# Altium PCB AGV.PcbDoc (part 1 of 2) (continued)
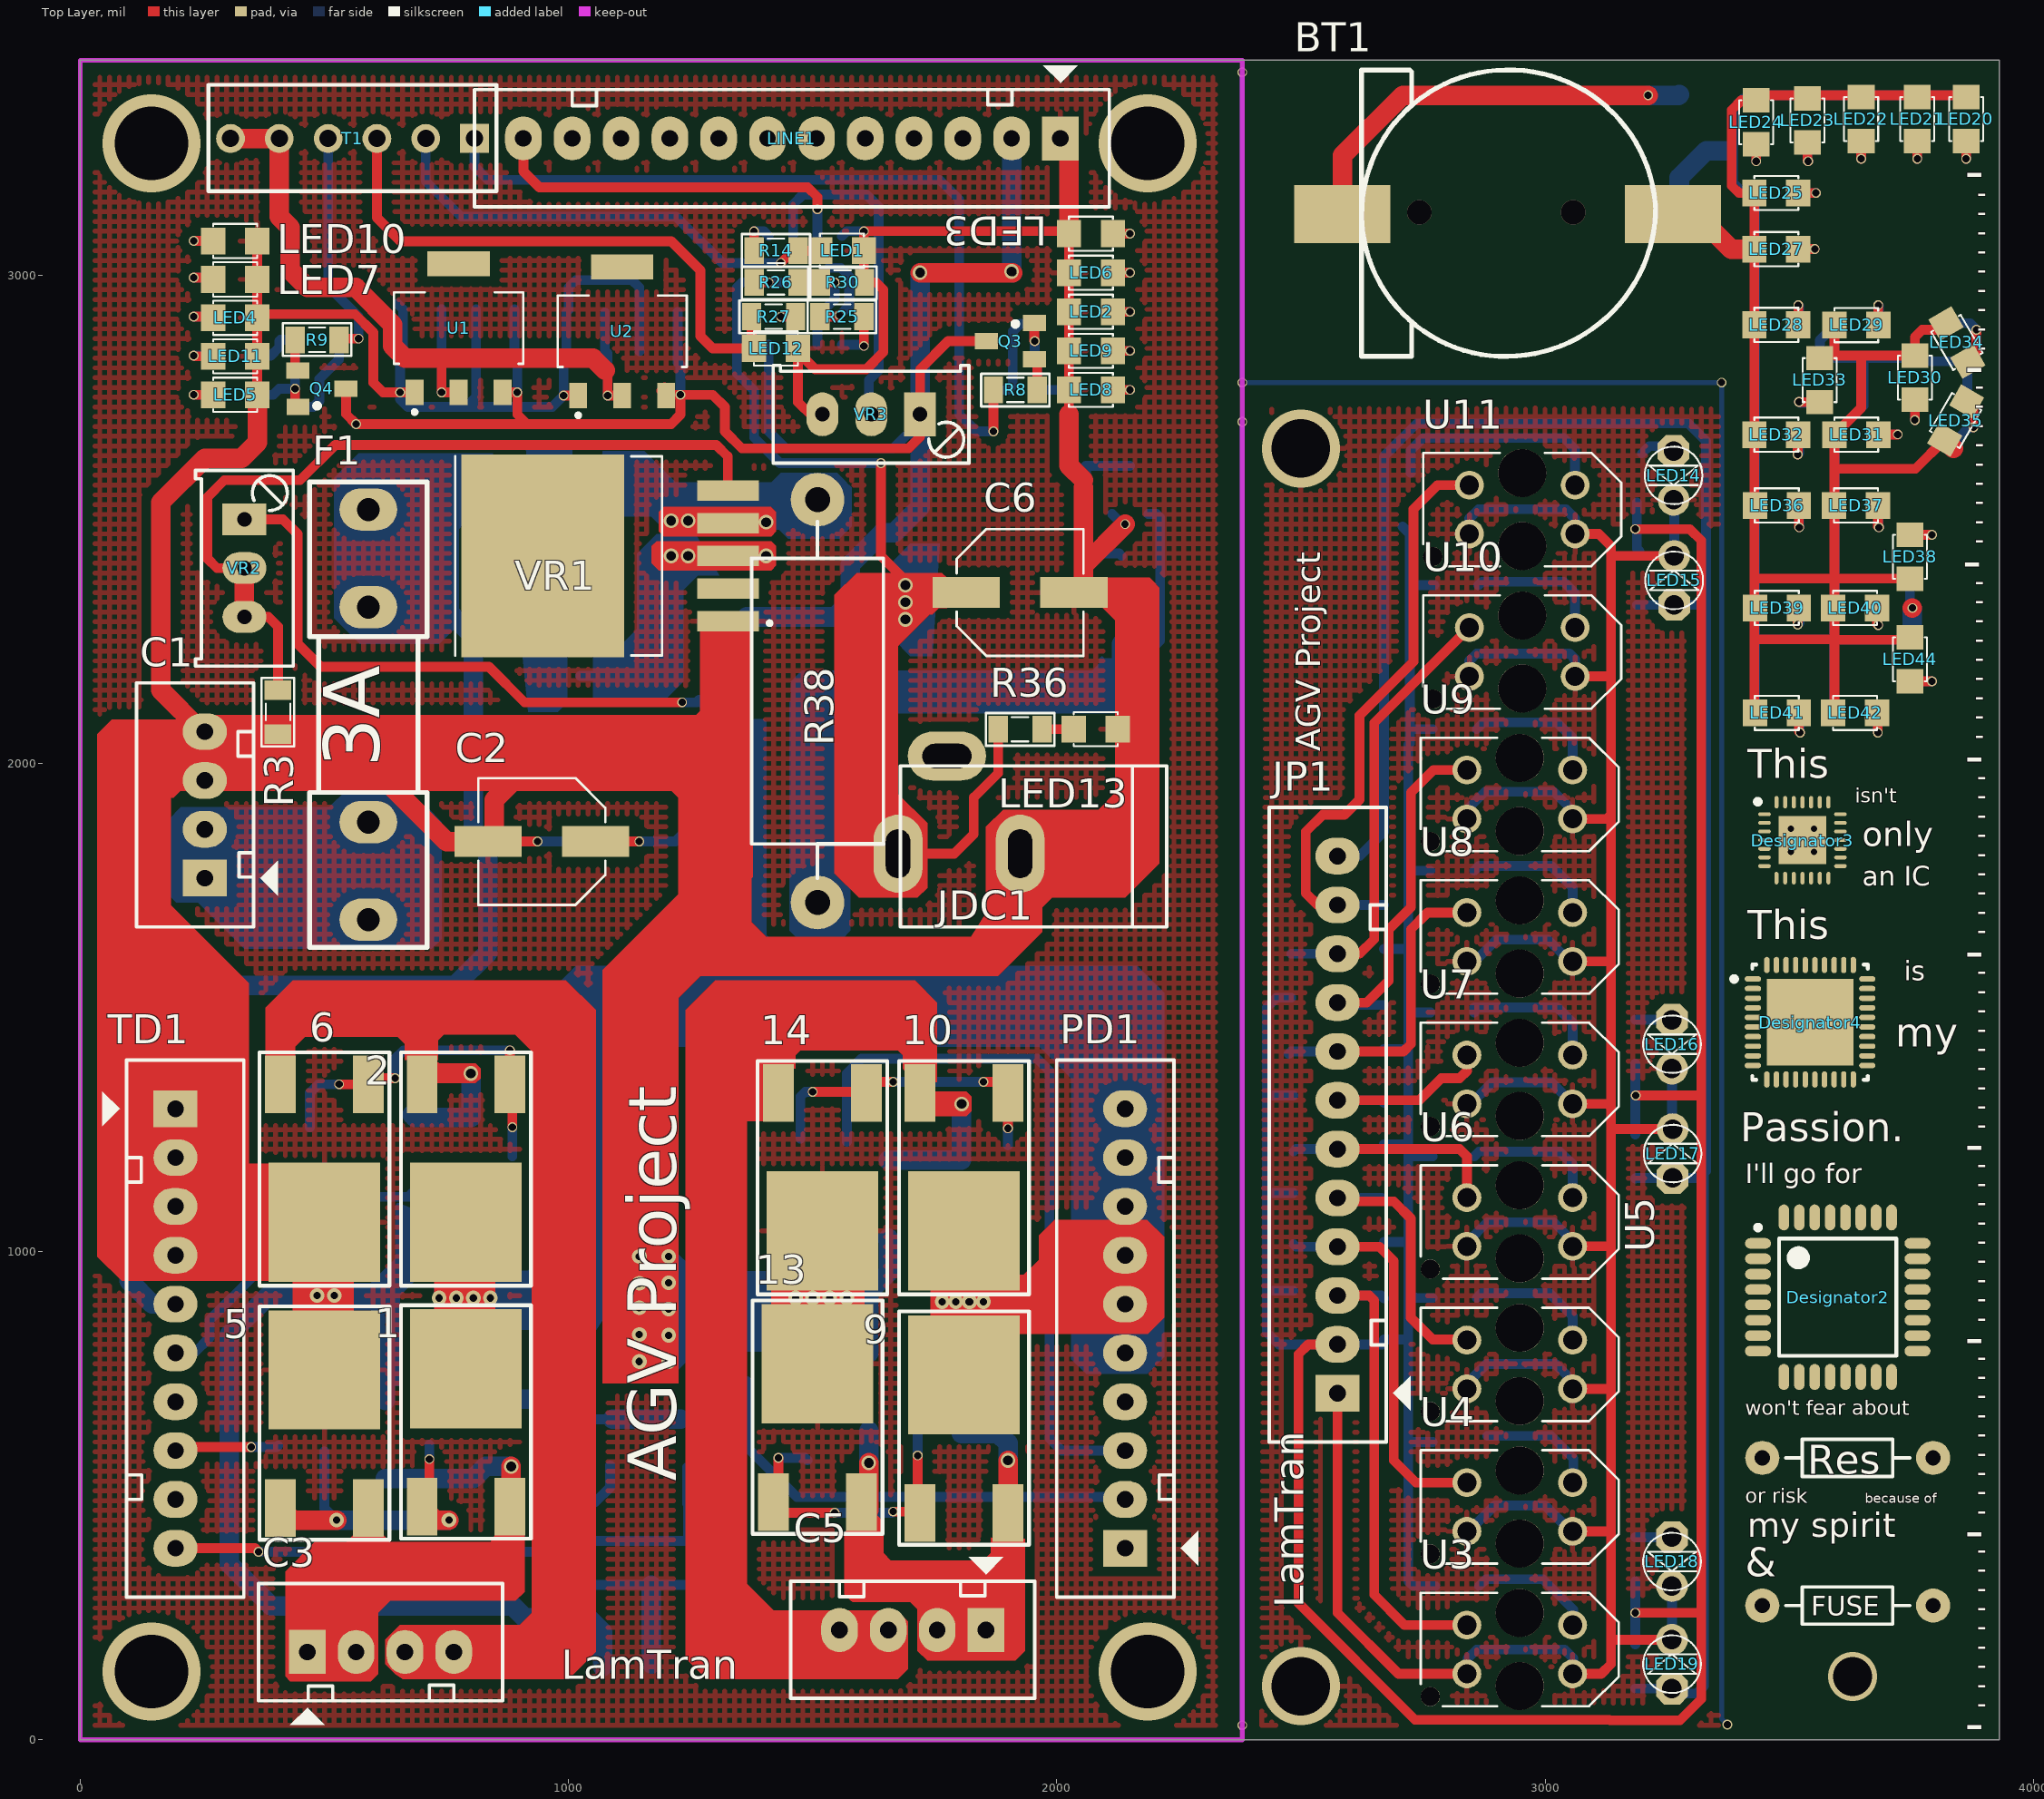
[diagram p0: Top Layer view]
## Components (designator, comment, footprint, x,y, rotation, side; value= is the part's Value field where it differs from the comment) (continued)
R65 "Res" RES-SMD-0805 3647.5,3321.11 r270 bottom
R66 "Res" RES-SMD-0805 3537.5,3318.31 r270 bottom
R67 "Res" RES-SMD-0805 3432.5,3316.18 r270 bottom
R68 "Res" RES-SMD-0805 3475.28,3168.31 r0 bottom
R70 "Res" RES-SMD-0805 3475.28,3053.31 r0 bottom
R71 "Res" RES-SMD-0805 3475.28,2898.31 r0 bottom
R72 "Res" RES-SMD-0805 3639,2897.63 r0 bottom
R73 "Res" RES-SMD-0805 3757.5,2785 r270 bottom
R74 "Res" RES-SMD-0805 3639,2673.81 r0 bottom
R75 "Res" RES-SMD-0805 3475.28,2673.81 r0 bottom
R76 "Res" RES-SMD-0805 3563.18,2783.31 r270 bottom
R77 "Res" RES-SMD-0805 3842.42,2862.63 r120 bottom
R78 "Res" RES-SMD-0805 3840.99,2703.31 r240 bottom
R79 "Res" RES-SMD-0805 3476.29,2528.81 r0 bottom
R80 "Res" RES-SMD-0805 3638.52,2528.81 r0 bottom
R81 "Res" RES-SMD-0805 3747.5,2423.41 r90 bottom
R82 "Res" RES-SMD-0805 3476.29,2318.81 r0 bottom
R83 "Res" RES-SMD-0805 3636.58,2318.81 r0 bottom
R84 "Res" RES-SMD-0805 3476.29,2103.81 r0 bottom
R85 "Res" RES-SMD-0805 3636.58,2103.81 r0 bottom
R87 "Res" RES-SMD-0805 3747.4,2213.31 r270 bottom
Res "Comment" R1/4W 3795,577.5 r180 top
SS1 "Diode SMD" DIO-SMD-B 1335,2275 r90 bottom value=1N5007
SW1 "SW" SW1-SMD 3275,3232.2 r270 bottom value="SW chip 2 pin"
T1 "Header6" HDR6 807.6,3280 r180 top
TD1 "JP10" Header10 195,1292.5 r270 top value="Connector 10"
U1 "AMS1117-3.3" *SOT229P700X180-4N 775,2891.69 r0 top
U2 "AMS1117-3.3" *SOT229P700X180-4N 1110,2885 r0 top
U3 "TCRT5000" *OPTO_TCRT5000_TCRT5000(Primary) 2948.27,185.2 r0 top
U4 "TCRT5000" *OPTO_TCRT5000_TCRT5000(Primary) 2948.27,477.05 r0 top
U5 "TCRT5000" *OPTO_TCRT5000_TCRT5000(Primary) 2948.27,768.9 r0 top
U6 "TCRT5000" *OPTO_TCRT5000_TCRT5000(Primary) 2948.27,1060.75 r0 top
U7 "TCRT5000" *OPTO_TCRT5000_TCRT5000(Primary) 2948.27,1352.6 r0 top
U8 "TCRT5000" *OPTO_TCRT5000_TCRT5000(Primary) 2948.27,1644.45 r0 top
U9 "TCRT5000" *OPTO_TCRT5000_TCRT5000(Primary) 2948.27,1936.3 r0 top
U10 "TCRT5000" *OPTO_TCRT5000_TCRT5000(Primary) 2953.27,2228.15 r0 top
U11 "TCRT5000" *OPTO_TCRT5000_TCRT5000(Primary) 2953.27,2520 r0 top
VR1 "XL6009" *DPAK170P1435X465-6N 1085,2425 r180 top
VR2 "100k" VR-S3 336.25,2500 r270 top value="Volume 50k"
VR3 "10K" VR-S3 1720,2715 r180 top value="Volume 50k"

## Footprints (in the part's own frame and the unit in brackets; to place one, negate y for a bottom-side part, rotate by r counter-clockwise, add the part's x,y. Pads: shape width x height; smd on the part's side, far side on the other; paste and mask are expansions set on the pad)
*DPAK170P1435X465-6N [mm]
  rect 3.21x1.05 smd: 1(-6.13,3.4) 2(-6.13,1.7) 3(-6.13,0) 4(-6.13,-1.7) 5(-6.13,-3.4)
  rect 8.46x10.53 smd: 6(3.5,0)
  silkscreen extent -8.4,-5.18 8.05,5.18
*OPTO_TCRT5000_TCRT5000(Primary) [mm]
  round 1.5 hole 1: A(2.75,1.27) CATH(2.75,-1.27) COLL(-2.75,1.27) E(-2.75,-1.27)
  round 1 hole 1 unplated: None(-4.65,-2.45)
  round 2.5 hole 2.5 unplated: None(0,-1.9) None(0,1.9)
  silkscreen extent -5.15,-2.95 5.15,2.95
*SOT229P700X180-4N [mm]
  rect 0.93x1.31 smd: 1(-2.29,-3.345) 2(0,-3.345) 3(2.29,-3.345)
  rect 3.24x1.31 smd: 4(0,3.345)
  silkscreen extent -3.36,-4.47 3.36,1.86
CAP-ALU-SMD-6.3x7.7x2.2 [mm]
  rect 3.5x1.6 smd: 1(-2.8,0) 2(2.8,0)
  silkscreen extent -3.3,-3.3 3.3,3.3, body extent -3.65,-3.3 3.65,3.3, height 7.65
CN-SMD-0805 [mil]
  rect 43.31x55 smd: 1(-39.36,0.01) 2(39.37,0.01)
  silkscreen extent -70,-34 70,33, body extent -39,-25 39,25, height 31
DC0 [mil] "Jac DC input"
  oval 100x160 hole 50 slot 100 at 90 deg: 1(125,100) 2(-125,100)
  oval 160x100 hole 50 slot 100 at 0 deg: 3(25,-100)
  silkscreen extent -425,-80 120,250, body extent -410,-105 134,269, height 434
DIO-SMD-106 [mil]
  rect 90x90.55 smd: 1(80,0) 2(-80,0)
  silkscreen extent -130,-55 135,55, body extent -99,-50 106,52, height 95
DIO-SMD-B [mm] "Magnetic-Core Inductor with Winding Polarity Marking; 2 Leads"
  rect 2.2x3.81 smd: 1(3.81,0) 2(-3.81,0)
  silkscreen extent -3.3,-3.05 3.81,3.05, body extent -3.94,-3.08 3.96,2.92, height 2.13
Fuse1 [mm]
  oval 2.2x3 hole 1.2: 1(-10.684,0) 1(-5.604,0) 2(5.579,0) 2(10.659,0)
  silkscreen extent -12.12,-3.05 12.09,3.05, body extent -10.84,-2.95 10.87,2.95, height 9.75
HDR6 [mm] "Connector; Header; 6 Position"
  rect 1.5x1.5 hole 0.9: 1(0,0)
  round 1.5 hole 0.9: 2(2.54,0) 3(5.08,0) 4(7.62,0) 5(10.16,0) 6(12.7,0)
  silkscreen extent -1.14,-2.79 13.84,2.74, body extent -1.27,-2.92 13.97,2.88, height 11.72
Header4 [mil] "CON4"
  rect 75x90 hole 34: 1(0,0)
  oval 75x90 hole 34: 2(100,0) 3(200,0) 4(300,0)
  silkscreen extent -100,-150 400,140, body extent -90,-90 398,136, height 276
Header10 [mil] "CON10"
  rect 75x90 hole 34: 1(0,0)
  oval 75x90 hole 34: 2(100,0) 3(200,0) 4(300,0) 5(400,0) 6(500,0) 7(600,0) 8(700,0) 9(800,0) 10(900,0)
  silkscreen extent -100,-150 1000,140
Header12 [mil] "CON12"
  rect 75x90 hole 34: 1(0,0)
  oval 75x90 hole 34: 2(100,0) 3(200,0) 4(300,0) 5(400,0) 6(500,0) 7(600,0) 8(700,0) 9(800,0) 10(900,0) 11(1000,0) 12(1100,0)
  silkscreen extent -100,-150 1200,140
L-SMD-D-12.5x12.5 [mm] "SMD Inductor, 4-Leads, Body 12.5x12.5mm (max)"
  rect 2.5x3.85 smd: 1(1.75,4.975) 2(-1.75,4.975) 3(-1.75,-4.975) 4(1.75,-4.975)
  silkscreen extent -6.25,-6.25 6.25,6.88, body extent -6.25,-6.25 6.25,6.25, height 8.6
LED-3MM-YELLOW [mil]
  oct 65x65 hole 40: 1(0,0)
  round 65 hole 40: 2(100,0)
  silkscreen extent -9,-59 109,59, body extent -27,-77 117,80, height 181
LED-0805-Blue [mil]
  rect 50x55 smd: 1(0,0) 2(90,0)
  silkscreen extent 0,-35 90,35, body extent 5,-25 85,25, height 43
LED-0805-Red [mil]
  rect 50x55 smd: 1(0,0) 2(90,0)
  silkscreen extent 0,-35 90,35, body extent 5,-25 85,25, height 43
"PIN CR1220-SMD" [mm]
  rect 3x5 smd: 1(7.5,-1) 2(7.5,16.2)
  silkscreen extent 0,0 14.9,15.3, body extent -0.18,-3.75 14.92,15.3, height 3
QFN28M [mm] "QFN, 28-Leads, Body 4x4mm, Pitch 0.45mm, IPC High Density"
  oval 0.65x0.2 smd: 1(-1.975,1.35) 2(-1.975,0.9) 3(-1.975,0.45) 4(-1.975,0) 5(-1.975,-0.45) 6(-1.975,-0.9) 7(-1.975,-1.35) 15(1.975,-1.35) 16(1.975,-0.9) 17(1.975,-0.45) 18(1.975,0) 19(1.975,0.45) 20(1.975,0.9) 21(1.975,1.35)
  oval 0.2x0.65 smd: 8(-1.35,-1.975) 9(-0.9,-1.975) 10(-0.45,-1.975) 11(0,-1.975) 12(0.45,-1.975) 13(0.9,-1.975) 14(1.35,-1.975) 22(1.35,1.975) 23(0.9,1.975) 24(0.45,1.975) 25(0,1.975) 26(-0.45,1.975) 27(-0.9,1.975) 28(-1.35,1.975)
  rect 2.5x2.5 smd: 29(0,0)
  silkscreen extent -2.45,1.88 -2.2,2.12, body extent -2.03,-2 1.97,2, height 0.75
QFN40 [mm] "QFN, 40-Leads, Body 6x6mm, Pitch 0.5mm, Thermal Pad 4.5x4.5mm"
  oval 0.85x0.28 smd: 1(-2.975,2.25) 2(-2.975,1.75) 3(-2.975,1.25) 4(-2.975,0.75) 5(-2.975,0.25) 6(-2.975,-0.25) 7(-2.975,-0.75) 8(-2.975,-1.25) 9(-2.975,-1.75) 10(-2.975,-2.25) 21(2.975,-2.25) 22(2.975,-1.75) 23(2.975,-1.25) 24(2.975,-0.75) 25(2.975,-0.25) 26(2.975,0.25) 27(2.975,0.75) 28(2.975,1.25) 29(2.975,1.75) 30(2.975,2.25)
  oval 0.28x0.85 smd: 11(-2.25,-2.975) 12(-1.75,-2.975) 13(-1.25,-2.975) 14(-0.75,-2.975) 15(-0.25,-2.975) 16(0.25,-2.975) 17(0.75,-2.975) 18(1.25,-2.975) 19(1.75,-2.975) 20(2.25,-2.975) 31(2.25,2.975) 32(1.75,2.975) 33(1.25,2.975) 34(0.75,2.975) 35(0.25,2.975) 36(-0.25,2.975) 37(-0.75,2.975) 38(-1.25,2.975) 39(-1.75,2.975) 40(-2.25,2.975)
  rect 4.5x4.5 smd: 41(0,0)
  silkscreen extent -4.07,-3 3,3, body extent -3,-3 3,3, height 0.9
R1/4W [mil] "R 1/4W, 2 Pin, 350mil"
  round 70 hole 31: 1(0,0) 2(350,0)
  silkscreen extent 48,-38 302,38, body extent -40,-47 386,47, height 111
RES-2W [mil] "R2W, 2 pin, 700mil"
  round 110 hole 51.18: 1(-405,5) 2(420,5)
  silkscreen extent -355,-130 375,140, body extent -428,-126 446,134, height 277
RES-SMD-0805 [mil]
  rect 39.37x55 smd: 1(-45,0) 2(45,0)
  silkscreen extent -70,-34 70,33, body extent -39,-25 39,25, height 31
SC_TO-252AA [mm] "D-PAK"
  rect 3x1.6 smd: 1(7.18,-2.286) 3(7.18,2.286)
  rect 6.2x5.8 smd: 2(0,0)
  silkscreen extent -3.3,-3.38 8.84,3.38, body extent -2.7,-3.29 7,3.29, height 2.3
SO8 [mm] "SOIC, 8-Leads, Body 4.9x3.9mm, Pitch 1.27mm, IPC High Density"
  oval 1.8x0.6 smd: 1(-2.825,1.905) 2(-2.825,0.635) 3(-2.825,-0.635) 4(-2.825,-1.905) 5(2.825,-1.905) 6(2.825,-0.635) 7(2.825,0.635) 8(2.825,1.905)
  silkscreen extent -2.95,-2.55 1.68,2.98, body extent -2.99,-2.45 3,2.45, height 1.6
SOT23B [mm] "SOT 23B"
  rect 0.85x1.2 smd: 1(0.94,-1.245) 2(0,1.25) 3(-0.95,-1.25)
  silkscreen extent 0.77,-0.38 1.02,-0.13, body extent -1.5,-1.3 1.5,1.2, height 1.06
SW1-SMD [mm]
  rect 1.2x0.8 smd: 1(-3.5,0) 2(3.5,0)
  silkscreen extent -2.82,-1.85 2.82,1.85, body extent -3.05,-1.85 3.05,1.85, height 2.5
TQFP32 [mm] "Thin QFP, 32-Leads, Body 9x9mm, Pitch 0.8mm, IPC Low Density"
  oval 1.35x0.55 smd: 1(-4.15,2.8) 2(-4.15,2) 3(-4.15,1.2) 4(-4.15,0.4) 5(-4.15,-0.4) 6(-4.15,-1.2) 7(-4.15,-2) 8(-4.15,-2.8) 17(4.15,-2.8) 18(4.15,-2) 19(4.15,-1.2) 20(4.15,-0.4) 21(4.15,0.4) 22(4.15,1.2) 23(4.15,2) 24(4.15,2.8)
  oval 0.55x1.35 smd: 9(-2.8,-4.15) 10(-2,-4.15) 11(-1.2,-4.15) 12(-0.4,-4.15) 13(0.4,-4.15) 14(1.2,-4.15) 15(2,-4.15) 16(2.8,-4.15) 25(2.8,4.15) 26(2,4.15) 27(1.2,4.15) 28(0.4,4.15) 29(-0.4,4.15) 30(-1.2,4.15) 31(-2,4.15) 32(-2.8,4.15)
  silkscreen extent -4.27,-3.05 3.05,3.75, body extent -4.5,-4.5 4.5,4.5, height 1.4
VR-S3 [mil] "Variable Resistor"
  rect 65x90 hole 30: 1(0,0)
  oval 65x90 hole 30: 2(100,0) 3(200,0)
  silkscreen extent -100,-100 301,100, body extent -91,-98 291,90, height 430
XT4-SMD [mm]
  rect 1.3x2 smd: 1(-2.667,-2.413)
  oval 1.3x2 smd: 2(2.533,-2.413) 3(2.533,2.387) 4(-2.667,2.387)
  silkscreen extent -3.87,-3.61 3.73,3.59, body extent -3.58,-2.5 3.43,2.48, height 2.03

## Part data
3 4 7 8 11 12 15 16: library part "Diode SMD", "Default Diode", Code - JEDEC=DO-214-AB, Published=8-Jun-2000, Publisher="Altium Limited", Revision="July-2002: Re-released for DXP Platform."
BT1: "Battery 3VDC"
C1: library part Header4, "Header IDC, 4 x 1 Pin Vertical 2.54mm Pitch (Non-Boxed, Male)", Manufacturer="W¨¹rth Elektronik eiSos GmbH", partNo=613002143121, ComponentLink1 Description=Manufacturer, ComponentLink1URL=http://www.we-online.com, ComponentLink2 Description=Datasheet, ComponentLink2URL=http://katalog.we-online.de/em/datasheet/6130xx143121.pdf, Created by="Karrer Zheng", Created Date="29 March 2013", NoPins=02
C2 C4 C6: library part CN-ALU-SMD, "Polarized Capacitor (Axial)", LatestRevisionDate=17-Jul-2002, LatestRevisionNote="Re-released for DXP Platform.", PackageReference=POLAR0.8, Published=8-Jun-2000, Publisher="Altium Limited"
C3 C5: "Header IDC, 4 x 1 Pin Vertical 2.54mm Pitch (Non-Boxed, Male)", Manufacturer="W¨¹rth Elektronik eiSos GmbH", partNo=613002143121, ComponentLink1 Description=Manufacturer, ComponentLink1URL=http://www.we-online.com, ComponentLink2 Description=Datasheet, ComponentLink2URL=http://katalog.we-online.de/em/datasheet/6130xx143121.pdf, Created by="Karrer Zheng", Created Date="29 March 2013", NoPins=02
Cx1 Cx2 Cx3 Cx4 Cx5 Cx6 Cx7 Cx8: library part CN
F1: library part Fuse, "Fuse", Designed by=VanDungEvn
IC1: "Low-Power Dual Operational Amplifier"
JDC1: library part DCIN, "Jac DC input"
JP1 LINE1: library part Header12, "Connector 12"
L1: library part L-SMD-2, Manufacturer="Würth Elektronik eiSos GmbH", partNo=7448709022, ComponentLink1Description=Manufacturer, ComponentLink1URL=http://www.we-online.de, ComponentLink2Description=Datasheet, ComponentLink2URL=http://katalog.we-online.de/pbs/datasheet/7448709022.pdf, Created by="Christin Otto", Created Date="August 2013", Inductance="2.20 µH"
LED1 LED2 LED3 LED4 LED5 LED6 LED7 LED8 LED9 LED10 LED11 LED12 LED13 LED20 LED21 LED22 LED23 LED24 LED25 LED27 LED28 LED29 LED30 LED31 LED32 LED33 LED34 LED35 LED36 LED37 LED38 LED39 LED40 LED41 LED42 LED44: library part "LED SMD"
LED14 LED15 LED16 LED17 LED18 LED19: "LED Single colour Green and Red"
PD1 TD1: library part Header10, "Connector 10"
Q1 Q2 Q3 Q4 Q5 Q6 Q7 Q8 Q9 Q10 Q11: "NPN 600mW, ECB", =C2383
R1 R2 R3 R4 R5 R6 R7 R8 R9 R10 R11 R12 R13 R14 R15 R16 R17 R18 R19 R20 R21 R22 R23 R24 R25 R26 R27 R28 R29 R30 R31 R32 R33 R34 R35 R36 R37 R39 R40 R41 R42 R43 R44 R45 R46 R47 R48 R49 R50 R51 R52 R53 R54 R55 R56 R57 R58 R59 R60 R61 R62 R63 R64 R65 R66 R67 R68 R70 R71 R72 R73 R74 R75 R76 R77 R78 R79 R80 R81 R82 R83 R84 R85 R87: library part Res-SMD, "Resistor", Manufacturer="Generic Components", Class=Passive, Published=08/06/2000, Publisher="Altium Hobart Technology Centre"
R38: library part Res, "Res", Manufacturer="Generic Components", Class=Passive, Published=08/06/2000, Publisher="Altium Hobart Technology Centre", SubClass=R
SS1: "Default Diode", Code - JEDEC=DO-214-AB, Published=8-Jun-2000, Publisher="Altium Limited", Revision="July-2002: Re-released for DXP Platform."
SW1: library part SW2, "Switch button 2 pin"
T1: "Header IDC, 6 x 1 Pin Vertical 2.54mm Pitch (Non-Boxed, Male)", Manufacturer="W¨¹rth Elektronik eiSos GmbH", partNo=613002143121, ComponentLink1 Description=Manufacturer, ComponentLink1URL=http://www.we-online.com, ComponentLink2 Description=Datasheet, ComponentLink2URL=http://katalog.we-online.de/em/datasheet/6130xx143121.pdf, Created by="Karrer Zheng", Created Date="29 March 2013", NoPins=02
U1 U2: "Sot223/Pkg 1-Amp 3.3-Volt Low Drop Out Voltage Regulatator", Package=None, Availability=Unavailable, MF="Advanced Monolithic Systems", MP=AMS1117-3.3, Price=None, SnapEDA_Link=https://www.snapeda.com/parts/AMS1117-3.3/Advanced%20Monolithic%20Systems/view-part/53450/?ref=snap
U3 U4 U5 U6 U7 U8 U9 U10 U11: "950 nm 60 mA Through Hole Reflective Optical Sensor with Transistor Output", Package="PCB Mount Vishay", Availability=Unavailable, MF=Vishay, MP=TCRT5000, Price=None, SnapEDA_Link=https://www.snapeda.com/parts/TCRT5000/Vishay%20Semiconductor%20Opto%20Division/view-part/?ref=snap
VR1: "The XL6009 regulator is a wide input range, current mode, DC/DC converter which is capable of generating either positive or negative output voltages.", Package="Package Analog Devices", Availability=Unavailable, MF=XLSEMI, MP=XL6009, Price=None, SnapEDA_Link=https://www.snapeda.com/parts/XL6009/XLSEMI/view-part/3211005/?ref=snap
VR2 VR3: library part VR-S, "Var Resistor"

## Via types
v1: diameter 20, hole 15, Top Layer to Bottom Layer, 87 vias
v2: diameter 30, hole 15, Top Layer to Bottom Layer, 27 vias
v3: diameter 30, hole 20, Top Layer to Bottom Layer, 16 vias
v4: diameter 25.98, hole 12.99, Top Layer to Bottom Layer, tented top, 4 vias
v5: diameter 200, hole 150, Top Layer to Bottom Layer, 4 vias
v6: diameter 50, hole 50, Top Layer to Bottom Layer, 2 vias
v7: diameter 160, hole 120, Top Layer to Bottom Layer, 2 vias
v8: diameter 100, hole 80, Top Layer to Bottom Layer, 1 vias

## Nets (pads, with @x,y where several pads share a name; then routed paths per layer and width w, separated by ;. In a path a pad name is that pad's centre, name@x,y a point inside that pad or via, vN(x,y) a via of type N, cw(c..) or ccw(c..) an arc to the next point about the centre after c; other vN are vias at no path point)
+5: JP1.2 R39.1 R40.1 R41.1 R42.1 R43.1 R44.1 R45.1 R46.1 R47.1 R48.1 R49.1 R50.1 R51.1 R52.1 R53.1 R54.1 R55.1 R56.1 R57.1 R58.1 R59.1 R60.1 R61.1 R62.1 | length 8676.7
  Top Layer w20: JP1.2@2575,810 2515,810 2495,790 2495,280 2733.82,41.18 3131.77,41.18 3132.95,40 3276.26,40 3320,83.74 3320,265 ; v1(3185,260.29) 3315.29,260.29 3320,265 ; v1(3185,2480) 3296.42,2480 3320,2456.42 3320,1320 ; v1(3185.87,1320) 3320,1320 ; 3320,265 3320,1320
  Bottom Layer w20: R59.1@2480,1520 2450,1520 2430,1500 2430,1315 ; R43.1@2485,920 2431.14,920 2430,918.86 ; R50.1@2485,1120 2430,1120 ; R54.1@2485,1320 2435,1320 2430,1315 ; R41.1@2670,814.19 2665.81,810 JP1.2@2575,810 2455,810 2430,835 2430,918.86 ; R41.1@2670,820 2718.27,820 2720,821.73 ; R45.1@2670,1020 2715,1020 2720,1025 ; R52.1@2670,1220 2715,1220 2720,1225 ; R57.1@2670,1415 2715,1415 2720,1410 ; R61.1@2670,1620 2720,1620 ; R60.1@2708.27,2484.8 2723.27,2469.8 2723.27,2364.8 ; R53.1@2765,1780 2725,1780 2720,1785 ; R51.1@2765.2,1490 2725,1490 2720,1485 ; R42.1@2770,610 2720,610 ; R44.1@2770,905 2735.94,905 2735,905.94 2720.94,905.94 2720,905 ; R49.1@2770,1195 R49.1@2765,1195 2720,1195 ; R56.1@2770,2070 2728.27,2070 2723.27,2065 ; R58.1@2773.27,2364.8 2723.27,2364.8 ; R40.1@2775,315 2730,315 2720.94,324.06 2720.94,325 2720,325.93 2720,610 ; R55.1@3185,195 v1(3185,260.29) R62.1@3185,325 ; R47.1@3185,1240 R48.1@3185,1385 ; 3188.27,2534.8 3188.27,2439.8 3193.27,2434.8 ; 2430,918.86 2430,1120 ; 2430,1120 2430,1315 ; 2720,610 2720,821.73 ; 2720,821.73 2720,905 ; 2720,905 2720,1025 ; 2720,1025 2720,1195 ; 2720,1195 2720,1225 ; 2720,1225 2720,1410 ; 2720,1410 2720,1485 ; 2720,1485 2720,1620 ; 2720,1620 2720,1785 ; 2720,1785 2720,2038.07 2723.27,2041.34 2723.27,2065 ; 2723.27,2065 2723.27,2364.8
GND: 5.2 6.2 7.1 8.1 13.2 14.2 15.1 16.1 BT1.2 C1.3 C1.4 C2.2 C4.2 C6.2 Cx1.1 Cx2.1 Cx3.1 Cx4.1 Cx5.1 Cx6.1 Cx7.1 Cx8.1 IC1.4 JDC1.2 JP1.1 LED1.2 LED2.2 LED3.2 LED4.2 LED5.2 LED6.2 LED7.2 LED8.2 LED9.2 LED10.2 LED11.2 LED12.2 LED13.2 LED14.2 LED15.2 LED16.2 LED17.2 LED18.2 LED19.2 LED20.2 LED21.2 LED22.2 LED23.2 LED24.2 LED25.2 LED27.2 LED28.2 LED29.2 LED30.2 LED31.2 LED32.2 LED33.2 LED34.2 LED35.2 LED36.2 LED37.2 LED38.2 LED39.2 LED40.2 LED41.2 LED42.2 LED44.2 LINE1.1 Q1.1 Q2.1 Q7.1 Q8.1 Q11.1 R3.2 R30.2 TD1.1 TD1.2 TD1.3 TD1.4 U1.1 U2.1 U3.CATH U3.E U4.CATH U4.E U5.CATH U5.E U6.CATH U6.E U7.CATH U7.E U8.CATH U8.E U9.CATH U9.E U10.CATH U10.E U11.CATH U11.E VR1.1 VR3.3 | length 26761.8
  Top Layer w20: C1.4@255,2065 400,2065 R3.2@405,2060 ; LED5.2@362.5,2755 LED11.2@362.5,2833.75 LED4.2@362.5,2912.5 ; LED10.2@362.5,3070 LED7.2@362.5,2991.25 LED4.2@362.5,2912.5 ; U1.1@684.84,2760 v1(655,2760) 620,2760 600,2780 600,2882.43 562.43,2920 370,2920 LED4.2@362.5,2912.5 ; C2.2@835,1840 865,1840 v1(936.3,1840) ; v1(990,2753.31) U2.1@1019.84,2753.31 ; LED12.2@1470,2850 LED12.2@1470,2842.5 ; VR3.3@1520,2710 1500,2710 1470,2740 LED12.2@1470,2842.5 ; 2025,2715 LED8.2@2025,2765 LED9.2@2025,2845 LED2.2@2025,2925 LED6.2@2025,3005 LED3.2@2025,3085 2020,3090 v1(1605,3090) LED1.2@1605,3050 1605,2986.25 R30.2@1606.25,2985 1630,2985 1645,2970 1645,2842.6 1609.9,2807.5 1505,2807.5 LED12.2@1470,2842.5 ; C6.2@2055,2375 C6.2@2095,2335 ; 2055,2565 2055,2580 ; JP1.1@2575,710 2575,260.27 2700.07,135.2 U3.E@2840,135.2 ; U3.CATH@3056.54,135.2 3115,135.2 3135,155.2 3135,205 ; U4.CATH@3056.54,427.05 3132.95,427.05 3135,425 ; U5.CATH@3056.54,718.9 3133.9,718.9 3135,720 ; U6.CATH@3056.54,1010.75 3134.25,1010.75 3135,1010 ; U7.CATH@3056.54,1302.6 3127.4,1302.6 3135,1295 ; U8.CATH@3056.54,1594.45 3134.45,1594.45 3135,1595 ; U9.CATH@3056.54,1886.3 3126.3,1886.3 3135,1895 ; U10.CATH@3061.54,2178.15 3133.15,2178.15 3135,2180 ; U11.CATH@3061.54,2470 3110,2470 3135,2445 3135,2424.8 ; LED19.2@3260,205 3135,205 ; LED17.2@3261.26,1250.87 3135,1250.87 ; LED15.2@3264.53,2424.8 3135,2424.8 ; LED41.2@3429.79,2103.31 3428.78,2104.33 3428.78,2258.31 ; LED42.2@3590.08,2103.31 3592.5,2105.73 3592.5,2258.31 ; LED29.2@3592.5,2897.63 3592.5,2837.5 3595,2835 3647.5,2835 ; LED44.2@3747.4,2258.31 3742.4,2253.31 3597.5,2253.31 3592.5,2258.31 ; LED38.2@3747.5,2378.31 3592.5,2378.31 ; LED35.2@3818.56,2663.31 3758.56,2603.31 3592.5,2603.31 ; LED34.2@3821.06,2901.25 3808.12,2888.31 3772.5,2888.31 3757.5,2873.31 LED30.2@3757.5,2835 3647.5,2835 ; LED20.2@3870,3368.31 3442.5,3368.31 LED24.2@3432.5,3358.31 3402.5,3358.31 3382.5,3338.31 3382.5,3183.31 3397.5,3168.31 LED25.2@3428.78,3168.31 LED27.2@3428.78,3053.31 LED28.2@3428.78,2898.31 LED32.2@3428.78,2673.31 3428.78,2383.31 ; 3135,205 3135,425 ; 3135,425 3135,720 ; 3135,720 3135,1010 ; 3135,1010 3135,1250.87 ; 3135,1250.87 3135,1295 ; 3135,1295 3135,1595 ; 3135,1595 3135,1895 ; 3135,1895 3135,2180 ; 3135,2180 3135,2424.8 ; 3428.78,2258.31 3428.78,2383.31 ; 3428.78,2258.31 3432.85,2254.23 3588.42,2254.23 3592.5,2258.31 ; 3428.78,2383.31 3433.78,2378.31 3592.5,2378.31 ; 3592.5,2258.31 3592.5,2378.31 ; 3592.5,2378.31 3592.5,2603.31 ; 3592.5,2603.31 LED31.2@3592.5,2673.31 3647.5,2728.31 3647.5,2835
  Top Layer w40: LED5.2@362.5,2755 362.5,2657.5 330,2625 255,2625 165,2535 165,2150 250,2065 C1.4@255,2065 C1.3@255,1965 625,1965 750,1840 C2.2@835,1840 ; 5.2@500,757.68 500,880 ; 6.2@500,1060 500,880 ; v2@525,905 500,880 ; C2.2@865,1840 847.5,1857.5 847.5,1925 952.5,2030 1255,2030 1326.34,2101.34 VR1.1@1326.34,2291.14 ; 1200.16,1595 1210.16,1605 1850,1605 1925,1680 JDC1.2@1925,1815 ; LINE1.1@2007.5,3280 2025,3262.5 LED3.2@2025,3085 ; 2025,2715 2025,2610 2055,2580 ; C6.2@2055,2375 2055,2405 ; 2055,2565 2055,2405 ; v1(2140,2490) 2055,2405 ; BT1.2@3262.17,3125 3310,3125 3381.69,3053.31 LED27.2@3428.78,3053.31 ; LED44.2@3747.4,2258.31 LED44.2@3752.4,2253.31 ; LED35.2@3818.56,2663.31 LED35.2@3836.53,2645.34
  Bottom Layer w10: v1(2380,3415.53) v1(2380,2780) v1(3361.64,2780) 3361.64,43.36 v1(3373.65,31.35)
  Bottom Layer w20: Q2.1@433,1156 433,1122 442.84,1112.16 672.16,1112.16 7.1@680,1120 ; Q1.1@537,689 619,689 8.1@625,695 ; Cx5.1@650,2941.26 Cx5.1@661.26,2930 Cx6.1@661.26,2845 655,2838.74 v1(655,2760) ; 655,2746 671,2730 790,2730 ; Cx1.1@810.64,2929.99 Cx2.1@810.64,2844.99 810.64,2750.64 790,2730 ; v1(936.3,1840) C4.2@1055,1840 ; Cx3.1@1145.64,2843.99 1145,2844.63 Cx4.1@1145,2925 1145,2975 1130,2990 1015,2990 1000,2975 1000,2928.36 Cx7.1@995.64,2923.99 995.64,2845.63 Cx8.1@996.26,2845 990,2838.74 v1(990,2753.31) 966.69,2730 790,2730 ; Q8.1@1438,1133.5 1438,1064.5 1475,1027.5 15.1@1655,1027.5 ; Q7.1@1527,671.5 1527,759.5 1560,792.5 16.1@1615,792.5 ; IC1.4@1560,3080 1570,3090 v1(1605,3090) ; Q11.1@2113,2511 2134,2490 v1(2140,2490) ; U5.E@2840,718.9 2840,730 2880,770 3021.45,770 3045,746.45 3045,730.43 U5.CATH@3056.54,718.9 ; U3.E@2841.73,135.2 2841.73,166.73 2860,185 3040,185 3058.27,166.73 U3.CATH@3058.27,135.2 ; U4.E@2841.73,425 2896.73,480 3000,480 3055,425 U4.CATH@3058.27,425 ; U6.E@2841.73,1000 2841.73,1019.99 2881.74,1060 3018.26,1060 3058.27,1019.99 U6.CATH@3058.27,995 ; U7.E@2841.73,1296.31 2892.43,1347.01 3012.99,1347.01 3058.27,1301.73 U7.CATH@3058.27,1290 ; U8.E@2841.73,1594.45 2841.73,1579.96 2900.63,1638.86 3006.14,1638.86 U8.CATH@3058.27,1586.73 ; U9.E@2841.73,1879.8 2841.73,1906.73 2876.89,1941.89 3018.11,1941.89 3058.27,1901.73 U9.CATH@3058.27,1886.3 ; U10.E@2845,2178.15 2845,2209.8 2860.2,2225 3050,2225 3061.54,2213.46 U10.CATH@3061.54,2178.15 ; U11.E@2845,2470 2845,2501.79 2863.69,2520.47 3042.6,2520.47 3061.54,2501.54 U11.CATH@3061.54,2470 ; LED19.2@3260,205 LED18.2@3260,315 ; LED16.2@3260,1374.8 3260,1252.13 LED17.2@3261.26,1250.87 ; LED14.2@3263.27,2519.8 3264.53,2518.54 LED15.2@3264.53,2424.8
  Bottom Layer w40: C1.4@250,2070 C1.4@255,2065 C1.3@255,1965 ; v2(485,910) 385,910 305,830 305,360 391.1,273.9 886.1,273.9 910,250 1040,250 1070,220 1070,150 ; 8.1@625,695 625,895 ; 16.1@1615,792.5 1615,917.5 1655,957.5 15.1@1655,1027.5
  other v2: 1145,775 1205,775 1205,828.75 1145,830 1205,882.5 1145,885 1465,905 1500,905 1535,905 1570,905 520,910 1145,935 1205,936.25 1145,990 1205,990
  other v7: 2500,110 2500,2645
Net1_1: 1.1 5.1 Q1.2 R2.2 | length 792.7
  Top Layer w20: 5.1@410,475 430,455 487.68,455 ; 1.1@700,477.32 715,492.32 v1(715,575)
  Top Layer w40: 5.1@410,475 435,450 v2(525,450) ; 1.1@700,477.32 727.32,450 v2(755,450)
  Bottom Layer w20: Q1.2@500,590.79 500,475 v2(525,450) ; v1(715,575) R2.2@715,605
  Bottom Layer w40: v2(525,450) v2(755,450)
Net1_2: 1.2 2.2 3.2 4.2 9.2 10.2 11.2 12.2 C2.1 Cx1.2 Cx2.2 Cx3.2 Cx4.2 IC1.8 LINE1.2 PD1.5 PD1.6 PD1.7 PD1.8 PD1.9 PD1.10 Q3.2 Q4.2 Q5.2 Q6.2 Q9.2 Q10.2 R1.1 R2.1 R6.1 R7.1 SS1.2 U1.3 U2.3 VR2.1 VR3.1 | length 8240.3
  Top Layer w20: VR2.1@336.25,2500 415,2500 445,2470 445,2245 492.28,2197.72 837.28,2197.72 909.9,2125.1 v1(1232.57,2125.1) ; Q4.2@544.21,2767.5 544.21,2715.79 v1(565,2695) 1210,2695 1229.37,2714.37 v1(1229.37,2755) ; U1.3@865.16,2760 v1(895,2760) 895,2715 910,2700 ; C2.1@1055.47,1840 v1(1145,1840) ; U2.3@1190.16,2763.31 U2.3@1196.85,2770 ; U2.3@1200.16,2753.31 1201.85,2755 v1(1229.37,2755) ; Q3.2@1855.79,2865 1777.5,2865 1720,2807.5 VR3.1@1720,2715 1720,2668.66 1696.34,2645 1355,2645 1320,2680 1320,2730 1295,2755 v1(1229.37,2755)
  Top Layer w40: 1.2@790,760 2.2@790,1060 ; v3(1720,3005) v1(1910,3005)
  Bottom Layer w20: Q6.2@546.71,2770 Q6.2@544.21,2767.5 544.21,2715.79 v1(565,2695) ; R2.1@715,695 804.94,697.24 4.2@815.55,697.5 ; 3.2@790,1090 790,1105 3.2@800,1115 810,1105 R1.1@885,1105 ; Cx1.2@889.37,2929.99 Cx2.2@889.37,2844.99 895,2839.37 v1(895,2760) ; 1005.55,697.5 1013.35,695 Q10.2@1047.6,660.75 1051.81,656.54 1090,656.54 ; v1(1145,1840) 1218.75,1840 1280,1901.25 1280,1905 ; Cx4.2@1223.74,2925 1223.74,2821.26 1230,2815 1229.37,2814.37 v1(1229.37,2755) ; 1230,656.54 Q9.2@1280,656.54 ; v1(1232.57,2125.1) 1262.6,2125.1 1267.5,2130 1335,2062.5 ; IC1.8@1410,2857.56 1410,2680 1445,2645 1665,2645 1720,2700 VR3.1@1720,2710 ; R7.1@1715,787.5 12.2@1805,787.5 ; 11.2@1805,1027.5 1875,1027.5 1900,1052.5 R6.1@1900,1127.5
  Bottom Layer w40: 3.2@790,1090 805,1075 809.73,905.69 809.75,905.13 809.76,904.71 809.77,904.16 815.55,697.5 1005.55,697.5 ; 996.26,900 996.26,1490.89 ; 1090,656.54 1230,656.54 ; 1335,2062.5 SS1.2@1335,2125 1335,2270 1365,2300 1545,2300 1577.5,2332.5 1577.5,2407.5 1642.5,2472.5 1667.5,2472.5 1720,2525 1720,2665 ; VR3.1@1720,2710 VR3.1@1720,2715 v3(1720,3005) ; LINE1.2@1907.5,3280 v3(1907.5,3007.5) v1(1910,3005)
  other v2: 1765,897.5 1793.33,897.5 1820,897.5 1821.67,897.5 1850,897.5 735,905 770,905 805,905 840,905
Net1_3: 1.3 4.1 5.3 8.2 C3.1 C3.2 | length 355.7
  Top Layer w40: 1.3@880,477.32 875,482.32 882.5,489.82 v3(882.5,560)
  Bottom Layer w40: 8.2@625,535 4.1@805,535 830,560 v3(882.5,560)
Net2_1: 2.1 6.1 Q2.2 R1.2 | length 760
  Top Layer w20: v1(530,1342.68) 6.1@590,1342.68 602.32,1355 v1(645,1355) ; v1(880,1412.5) 2.1@880,1342.68 885,1337.68 v1(885,1255)
  Bottom Layer w20: Q2.2@470,1254.21 470,1325 487.68,1342.68 v1(530,1342.68) ; v1(645,1355) 645,1395 662.5,1412.5 v1(880,1412.5) ; R1.2@885,1195 v1(885,1255)
Net2_3: 2.3 3.1 6.3 7.2 C3.3 C3.4 | length 212.1
  Bottom Layer w40: 7.2@680,1280 685,1275 3.1@800,1275 v3(800,1365)
Net9_1: 9.1 13.1 Q7.2 R7.2 | length 690
  Top Layer w20: v1(1430,577.5) 1430,464.82 1430.18,465 v1(1545,465) ; v1(1665,467.5) 1712.68,467.5 1715,469.82 v1(1715,582.5)
  Bottom Layer w20: v1(1430,577.5) 1484.21,577.5 1489.21,572.5 Q7.2@1490,573.29 ; v1(1545,465) 1662.15,465 1662.32,464.82 v1(1665,467.5) ; v1(1715,582.5) R7.2@1715,697.5
Net9_3: 9.3 12.1 13.3 16.2 C5.1 C5.2 | length 415.7
  Top Layer w40: 13.3@1610,464.82 1615,469.82 v1(1615,567.5) ; 9.3@1900,464.82 v1(1900,572.5)
  Bottom Layer w40: v1(1615,567.5) 16.2@1615,632.5 ; 12.1@1805,627.5 1880,627.5 1900,607.5 v1(1900,572.5)
  other v3: 1615,567.5 1900,572.5
Net10_1: 10.1 14.1 Q8.2 R6.2 | length 642.1
  Top Layer w20: v1(1500,1327.5) 1607.68,1327.5 14.1@1610,1325.18 1632.32,1347.5 v1(1665,1347.5) ; v1(1850,1347.5) 1877.68,1347.5 10.1@1900,1325.18 v1(1900,1252.5)
  Bottom Layer w20: Q8.2@1475,1231.71 1475,1317.5 1485,1327.5 v1(1500,1327.5) ; v1(1665,1347.5) v1(1850,1347.5) ; R6.2@1900,1217.5 v1(1900,1252.5)
Net10_3: 10.3 11.1 14.3 15.2 C5.3 C5.4 | length 265
  Bottom Layer w40: 15.2@1655,1187.5 11.1@1805,1187.5 v3(1805,1302.5)
Net17_1: 17.1 Q11.2 R37.1 | length 339.2
  Bottom Layer w20: 17.1@2132.68,2425 2127.68,2430 2070,2430 2060,2440 R37.1@2060,2610 2060.79,2609.21 Q11.2@2150,2609.21
Net17_2: 17.2 C6.1 JDC1.1 R25.1 R26.1 R36.1 | length 1694.7
  Top Layer w20: R26.1@1380,2985 v1(1410,2985) ; R25.1@1515,2915 1551.81,2915 v1(1555,2918.19) ; v1(1640,2615) 1640,2425 1690,2375 v3(1690,2365) ; JDC1.1@1675,1815 1790,1815 1830,1855 1830,1930 1880,1980 R36.1@1880,2070
  Bottom Layer w20: v1(1555,2918.19) 1555.61,2918.19 1575,2937.57 1575,2997.43 1557.43,3015 1532.57,3015 1502.57,2985 v1(1410,2985) 1355,2985 1345,2975 1345,2798.5 1380,2763.5 1380,2667.57 1432.57,2615 v1(1640,2615)
  other v3: 1690,2295 1690,2330